# Altium PCB spd150.PcbDoc (part 4 of 15)
Units mil, origin at the board's own origin, x right, y up, seen from the top; angles counter-clockwise.
Board outline 8557 x 5807 mil, 10 copper layers (TOP, LYR2-PLN, LYR3-SIG, LYR4-SIG, LYR5-PLN, LYR6-PLN, LYR7-SIG, LYR8-SIG, LYR9-PLN, BOTTOM), stack 84 mil thick; 1065 components, 972 nets, 4226 pads, 2810 vias.
Unrouted connection lines stored in the file: 16.
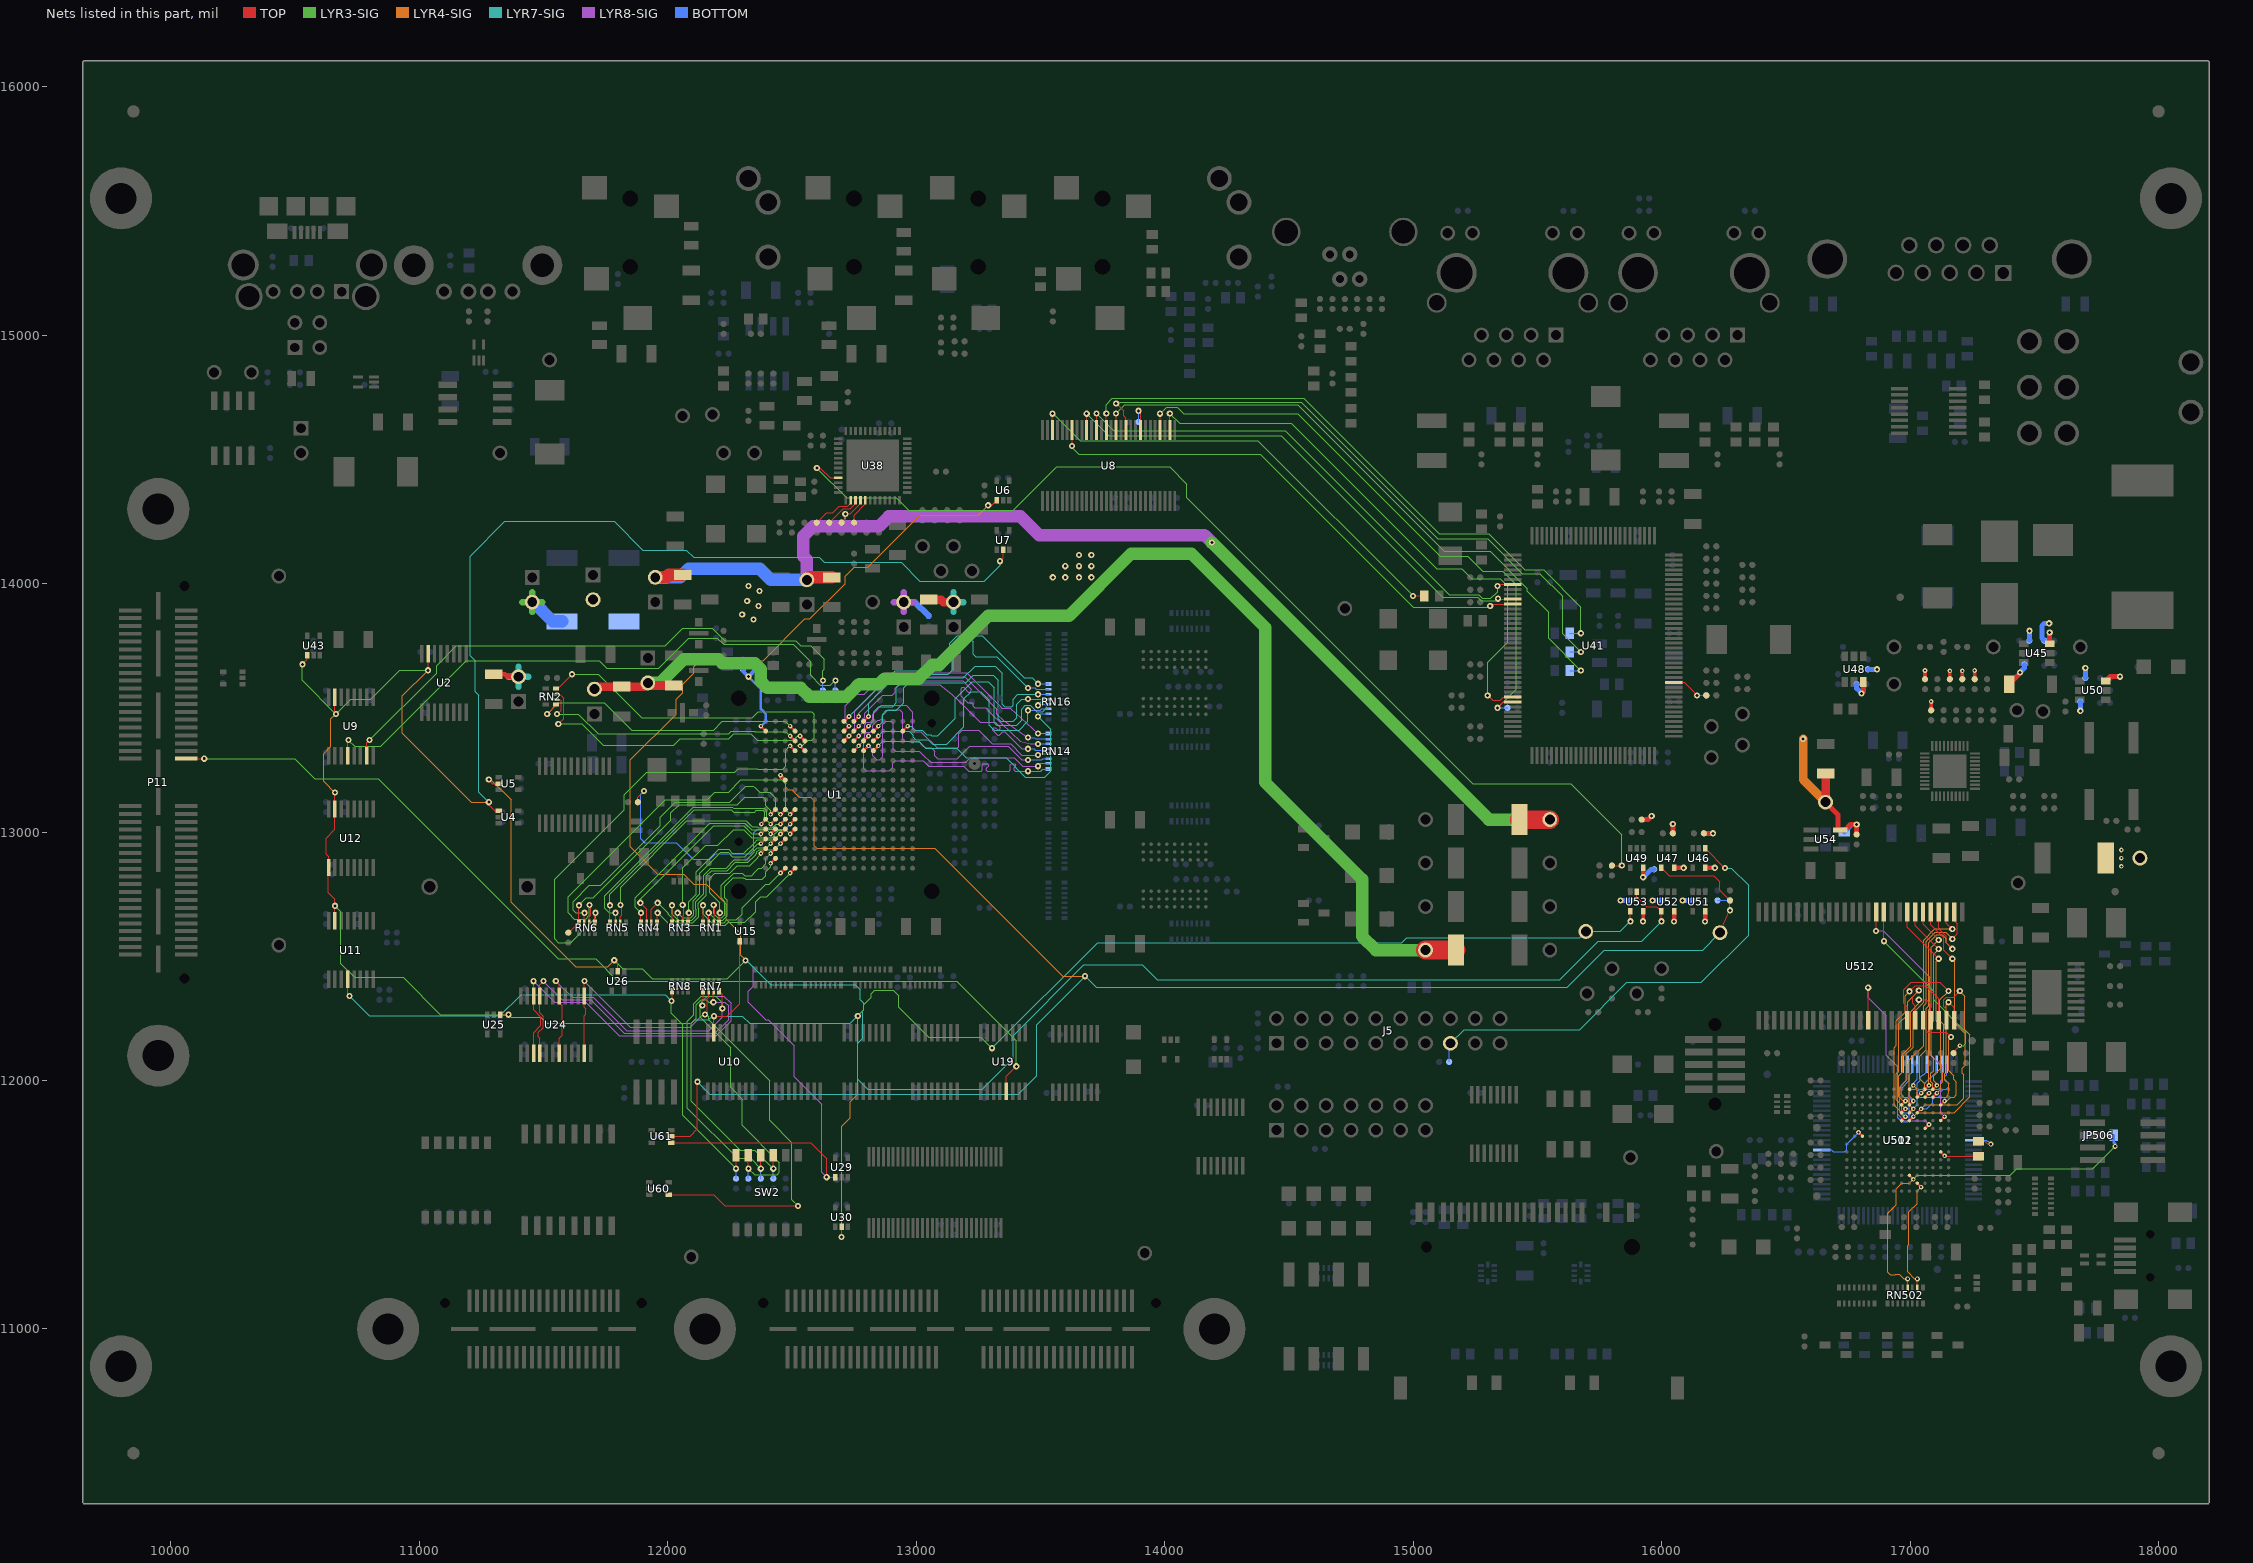
[diagram p12: the nets of this part, all layers, seen from the top]

## Footprints (in the part's own frame and the unit in brackets; to place one, negate y for a bottom-side part, rotate by r counter-clockwise, add the part's x,y. Pads: shape width x height; smd on the part's side, far side on the other; paste and mask are expansions set on the pad) (continued)
TSOP54-MICRON-18X75 [mil] "TSOP54-MICRON-18X75"
  rrect0% 18x75 smd: 1(-409.5,-218) 2(-378,-218) 3(-346.5,-218) 4(-315,-218) 5(-283.5,-218) 6(-252,-218) 7(-220.5,-218) 8(-189,-218) 9(-157.5,-218) 10(-126,-218) 11(-94.5,-218) 12(-63,-218) 13(-31.5,-218) 14(0,-218) 15(31.5,-218) 16(63,-218) 17(94.5,-218) 18(126,-218) 19(157.5,-218) 20(189,-218) 21(220.5,-218) 22(252,-218) 23(283.5,-218) 24(315,-218) 25(346.5,-218) 26(378,-218) 27(409.5,-218) 28(409.5,218) 29(378,218) 30(346.5,218) 31(315,218) 32(283.5,218) 33(252,218) 34(220.5,218) 35(189,218) 36(157.5,218) 37(126,218) 38(94.5,218) 39(63,218) 40(31.5,218) 41(0,218) 42(-31.5,218) 43(-63,218) 44(-94.5,218) 45(-126,218) 46(-157.5,218) 47(-189,218) 48(-220.5,218) 49(-252,218) 50(-283.5,218) 51(-315,218) 52(-346.5,218) 53(-378,218) 54(-409.5,218)
  silkscreen extent -438,-200 438,200
TSSOP16-14X70 [mil] "TSSOP16-14X70"
  rrect0% 14x70 smd: 1(-89.6,-117.6) 2(-64,-117.6) 3(-38.4,-117.6) 4(-12.8,-117.6) 5(12.8,-117.6) 6(38.4,-117.6) 7(64,-117.6) 8(89.6,-117.6) 9(89.6,117.6) 10(64,117.6) 11(38.4,117.6) 12(12.8,117.6) 13(-12.8,117.6) 14(-38.4,117.6) 15(-64,117.6) 16(-89.6,117.6)
  silkscreen extent -100,-90 100,90
USB_A_SH [mil] "USB_A_SH"
  round 65 hole 40: 1(-137.1,235.7) 2(-38.7,235.7) 3(40.1,235.7) 4(138.5,235.7)
  round 160 hole 95: 5(-258,129) 6(259.4,129)
  silkscreen extent -258,-276 258,276
USB_TRIPL-REV2 [mil] "USB_TRIPL-REV2"
  round 110 hole 86: 1(-235,160) 2(235,160)
  rect 60x60 hole 38: 1A(-138,140) 1B(50,365)
  rect 16x53 smd: 1AB(-51,-97.5) 2AB(-25.5,-97.5) 3AB(0,-97.5) 4AB(25.5,-97.5) 5AB(51,-97.5)
  round 60 hole 38: 2A(-40,140) 2B(-50,365) 3A(40,140) 3B(-50,265) 4A(138,140) 4B(50,265)
  round 125 hole 93: 3(-258,33) 4(258,33)
  rect 83x63 smd: 5(-121.9,-102.5) 6(121.9,-102.5)
  rect 75x75 smd: 7(-155.4,-202.9) 8(-47.3,-202.9) 9(47.3,-202.9) 10(155.4,-202.9)
  silkscreen extent -258,-372 258,375
XTAL2-75X94 [mil] "XTAL2-75X94"
  rect 75x95 smd: 1(-88,0) 2(88,0)
  silkscreen extent -120,-70 120,70
XTAL4-23X47-SSP-T7 [mil] "XTAL4-23X47-SSP-T7"
  rect 47x23 smd: 1(-124,-17.5) 2(124,-17.5) 3(124,17.5) 4(-124,17.5)
  silkscreen extent -132,-30 132,30
XTAL4-70X78-CTX [mil] "XTAL4-70X78-CTX"
  rect 70x78 smd: 1(-100,-82.5) 2(100,-82.5) 3(100,82.5) 4(-100,82.5)
  silkscreen extent -150,-100 150,100

## Free pads (board coordinates)
  round 50 all layers, no hole: 1(9850,10500) 1(9850,15900) 1(18000,10500) 1(18000,15900)

## Via types
v1: diameter 25, hole 12, TOP to BOTTOM, 2018 vias
v2: diameter 19, hole 8, TOP to BOTTOM, 651 vias
v3: diameter 20, hole 10, TOP to BOTTOM, 120 vias
v4: diameter 22, hole 10, TOP to BOTTOM, 21 vias

## Nets (pads, with @x,y where several pads share a name; then routed paths per layer and width w, separated by ;. In a path a pad name is that pad's centre, name@x,y a point inside that pad or via, vN(x,y) a via of type N, cw(c..) or ccw(c..) an arc to the next point about the centre after c; other vN are vias at no path point)
A1: U502.M7 U511.14 U512.23 | length 981.6
  TOP w5: v1(17035,12325) 17065,12325 17083.5,12306.5 U512.23@17083.5,12242
  TOP w10: U502.M7@16965.8,11901.8 v2(16981.5,11917.5)
  LYR4-SIG w4: 16970,12070 16970,12035 16954.5,12019.5 16954.5,11935.5 16972.5,11917.5 v2(16981.5,11917.5)
  LYR4-SIG w5: 16970,12070 16970,12106.1 17002.2,12138.3 17002.2,12277.2 17035,12310 v1(17035,12325)
  BOTTOM w4: U511.14@16969.7,12065 16969.7,12034.7 16949.9,12014.9 16949.9,11850.1 16965,11835 16990,11835 16997,11842 16997,11861 16988,11870 16975.5,11870 16966,11879.5 16966,11902 v2(16981.5,11917.5)
A2: U502.K7 U511.15 U512.24 | length 1044.2
  TOP w5: v1(16998,12359) 17021,12382 17063,12382 17115,12330 U512.24@17115,12242
  TOP w10: U502.K7@16965.8,11838.8 v2(16981.5,11854.5)
  LYR4-SIG w4: 16935.9,12070 16935.9,11900.1 v2(16981.5,11854.5)
  LYR4-SIG w5: 16935.9,12070 16935.9,12132.6 16945,12141.7 16945,12240 16980,12275 16980,12341 v1(16998,12359)
  BOTTOM w4: v2(16981.5,11854.5) 16975.5,11854.5 16957.9,11872.1 16957.9,11972.9 16989.4,12004.4 U511.15@16989.4,12065
A3: U502.K6 U511.16 U512.25 | length 1148.2
  TOP w5: U512.25@17146.5,12242 17146.5,12285 17135,12296.5 17135,12325 17145,12335 17175,12335 v1(17200,12360)
  TOP w10: U502.K6@16997.3,11838.8 v2(17013,11854.5)
  LYR4-SIG w4: v2(17013,11854.5) 17029,11870.5 17177,11870.5 17240.5,11934 17240.5,12069.5 17240,12070
  LYR4-SIG w5: v1(17200,12360) 17220,12340 17220,12205 17240,12185 17240,12070
  BOTTOM w4: U511.16@17009.1,12065 17009.1,12034.1 16997.4,12022.4 16997.4,12001 16965.9,11969.5 16965.9,11942.1 16975,11933 16988,11933 16997,11924 16997,11880 17013,11864 v2(17013,11854.5)
A4: U502.P6 U511.17 U512.26 | length 759.6
  TOP w5: v1(17155,12315) 17178,12292 U512.26@17178,12242
  TOP w10: U502.P6@16997.3,11964.8 v2(17013,11980.5)
  LYR4-SIG w4: v2(17013,11980.5) 17028.5,11965 17028.5,11942.5 17038,11933 17145,11933 17154.5,11942.5 17154.5,11949.5 17155,11950 17155,11988 17139.5,12003.5 17139.5,12028.1 17145,12033.6 17145,12070
  LYR4-SIG w5: 17145,12070 17145,12305 v1(17155,12315)
  BOTTOM w4: v2(17013,11980.5) 17013,11990 17028.5,12005.5 17028.5,12019.7 17028.8,12020 U511.17@17028.8,12065
A5: U502.M6 U511.19 U512.29 | length 1146.1
  TOP w5: v1(17170,12570) 17190,12590 17190,12630 17178,12642 U512.29@17178,12678
  TOP w10: U502.M6@16997.3,11901.8 v2(17013,11917.5)
  LYR4-SIG w4: 16997,12070 16997,11938 17013,11922 v2(17013,11917.5)
  LYR4-SIG w5: 16997,12070 16997,12082.7 17055,12140.7 17055,12300 17065,12310 17065,12560 17102,12597 17143,12597 v1(17170,12570)
  BOTTOM w4: v2(17013,11917.5) 17005,11925.5 17005,11927.4 16997,11935.4 16997,11955.5 17006.5,11965 17020,11965 17029,11974 17029,11990 17040,12001 17040,12014 17050,12024 17054,12024 17068.2,12038.2 U511.19@17068.2,12065
A6: U502.L6 U511.21 U512.30 | length 1203
  TOP w5: U512.30@17146.5,12678 17146.5,12633.5 v1(17170,12610)
  TOP w10: U502.L6@16997.3,11870.3 v2(17013,11886)
  LYR4-SIG w4: 16985,12070 16985.5,12069.5 16985.5,12000.5 16965,11980 16965,11943.4 16975.4,11933 16988,11933 16997,11924 16997,11902 v2(17013,11886)
  LYR4-SIG w5: 16985,12070 16985,12106.9 17012.2,12134.1 17012.2,12272.2 17055,12315 17055,12565 17100,12610 v1(17170,12610)
  BOTTOM w4: v2(17013,11886) 17029,11902 17029,11955.5 17038.5,11965 17051,11965 17060,11974 17060,11988 17107.6,12035.6 U511.21@17107.6,12065
A7: U502.N5 U511.22 U512.31 | length 1152.8
  TOP w5: U512.31@17115,12678 17115,12610 17145,12580 17145,12555 v1(17170,12530)
  TOP w10: U502.N5@17028.8,11933.3 v2(17044.5,11949)
  LYR4-SIG w4: 17039,12070 17039,12008 17060,11987 17060,11964.5 v2(17044.5,11949)
  LYR4-SIG w5: 17039,12070 17039,12097.3 17065.3,12123.6 17065.3,12290.3 17075,12300 17075,12554.3 17106.7,12586 17129,12586 17145,12570 17145,12555 v1(17170,12530)
  BOTTOM w4: v2(17044.5,11949) 17049,11949 17065,11965 17114.5,11965 17123.2,11973.7 17123.2,11995 17130.2,12002 17130.2,12024.8 17127.3,12027.7 U511.22@17127.3,12065
A8: U502.L5 U511.23 U512.32 | length 1287.5
  TOP w5: U512.32@17083.5,12678 17083.5,12626.5 17135,12575 17135,12525 v1(17170,12490)
  TOP w10: U502.L5@17028.8,11870.3 v2(17044.5,11886)
  LYR4-SIG w4: v2(17044.5,11886) 17060.5,11902 17189,11902 17215.5,11928.5 17215.5,12022.5 17209.5,12028.5 17209.5,12049.5 17222,12062 17222,12070
  LYR4-SIG w5: v1(17170,12490) 17180,12480 17180,12230.8 17222,12188.8 17222,12070
  BOTTOM w4: v2(17044.5,11886) 17066.5,11886 17092,11911.5 17092,11924 17101,11933 17113.5,11933 17123.5,11943 17123.5,11955.5 17132.5,11964.5 17145.5,11964.5 17155,11974 17155,11987 17139.5,12002.5 17139.5,12016.5 17147,12024 U511.23@17147,12065
A9: U502.P4 U512.33 | length 762
  TOP w5: U512.33@17052,12678 17052,12629 v1(17115,12566)
  TOP w10: U502.P4@17060.3,11964.8 v2(17076,11980.5)
  LYR4-SIG w4: v2(17076,11980.5) 17076,12070
  LYR4-SIG w5: 17076,12070 17076,12285 17085,12294 17085,12536 v1(17115,12566)
A10: U502.N4 U512.34 | length 820.6
  TOP w5: U512.34@17020.5,12678 17020.5,12623.5 v1(17115,12529)
  TOP w10: U502.N4@17060.3,11933.3 v2(17076,11949)
  LYR4-SIG w4: v2(17076,11949) 17092,11965 17092,11988 17084,11996 17084,12029 17095,12040 17095,12070
  LYR4-SIG w5: 17095,12070 17095,12090 17086,12099 17086,12231.6 17095,12240.6 17095,12509 v1(17115,12529)
A11: U502.M2 U512.22 | length 485.6
  TOP w5: U512.22@17052,12242 17052,12215 17072,12195 17145,12195 v1(17165,12175)
  TOP w10: U502.M2@17123.3,11901.8 v2(17139,11917.5)
  LYR4-SIG w4: v2(17139,11917.5) 17148.5,11917.5 17164.5,11933.5 17177,11933.5 17186,11942.5 17186,11994 17175,12005 17175,12020 17155,12040 17155,12070
  LYR4-SIG w5: 17155,12070 17155,12165 v1(17165,12175)
A12: U502.P3 U512.35 | length 801.1
  TOP w5: U512.35@16989,12678 16989,12616 v1(17115,12490)
  TOP w10: U502.P3@17091.8,11964.8 v2(17107.5,11980.5)
  LYR4-SIG w4: v2(17107.5,11980.5) 17107.5,11987.5 17095,12000 17095,12020 17124,12049
  LYR4-SIG w5: v1(17115,12490) 17105,12480 17105,12240 17124,12221 17124,12049
A13: U502.N3 U512.20 | length 801
  TOP w5: U512.20@16989,12242 16989,12297 16975,12311 16975,12365 17005,12395 17120,12395 v1(17155,12360)
  TOP w10: U502.N3@17091.8,11933.3 v2(17107.5,11949)
  LYR4-SIG w4: v2(17107.5,11949) 17123.5,11965 17123.5,11987 17130.7,11994.2 17130.7,12030.7 17135,12035 17135,12070
  LYR4-SIG w5: 17135,12070 17135,12225 17120,12240 17120,12325 v1(17155,12360)
A14: U502.L7 U512.21 | length 685.3
  TOP w5: U512.21@17020.5,12242 17020.5,12299.5 17010,12310 17010,12337 v1(17035,12362)
  TOP w10: U502.L7@16965.8,11870.3 v2(16981.5,11886)
  LYR4-SIG w4: 16955,12070 16955,12037.7 16945,12027.7 16945,11922.5 v2(16981.5,11886)
  LYR4-SIG w5: 16955,12070 16955,12230 16990,12265 16990,12317 v1(17035,12362)
ACLKR0: RN2.1 U1.B4 | length 1144.9
  TOP w5: v1(11515,13475) 11550.5,13510.5 RN2.1@11550.5,13512.6
  TOP w10: v2(12493.1,13425.8) U1.B4@12512.8,13406.1
  LYR3-SIG w4: 12350,13445 12473.9,13445 v2(12493.1,13425.8)
  LYR3-SIG w5: v1(11515,13475) 11560,13520 11745,13520 11855,13410 12185,13410 12220,13445 12350,13445
ACLKR1: RN5.3 U1.L2 | length 1032.9
  TOP w5: RN5.3@11790.2,12635.5 v1(11790.2,12674.8)
  TOP w10: v2(12414.3,13031.8) U1.L2@12434,13051.5
  LYR3-SIG w4: 12350,13095 12379.6,13095 12379.7,13095.1 12386.3,13095.1 12386.4,13095 12388,13095 12398.8,13084.2 12398.8,13047.3 v2(12414.3,13031.8)
  LYR3-SIG w5: v1(11790.2,12674.8) 11765.2,12674.8 11747.6,12692.4 11747.6,12744.3 12103.3,13100 12260,13100 12265,13095 12350,13095
ACLKX0: RN2.3 U1.C5 | length 1221.1
  TOP w5: RN2.3@11550.5,13554.8 11565.2,13554.8 11581,13539 11581,13456 v1(11560,13435)
  TOP w10: v2(12532.5,13386.4) U1.C5@12552.2,13366.7
  LYR3-SIG w4: 12350,13380 12360,13370 12505,13370 12521.4,13386.4 v2(12532.5,13386.4)
  LYR3-SIG w5: v1(11560,13435) 11655,13435 11740,13350 12025,13350 12050,13375 12245,13375 12265,13395 12335,13395 12350,13380
ACLKX1: RN6.3 U1.K3 | length 1272
  TOP w5: RN6.3@11665.2,12635.5 v1(11665.2,12674.8)
  TOP w10: v2(12453.7,13071.2) U1.K3@12473.4,13090.9
  LYR3-SIG w4: 12350,13180 12370,13160 12410,13160 12435,13135 12435,13089.9 v2(12453.7,13071.2)
  LYR3-SIG w5: v1(11665.2,12674.8) 11630.2,12674.8 11620,12685 11620,12720 11685,12785 11730,12785 11970,13025 11970,13060 12030,13120 12250,13120 12315,13185 12345,13185 12350,13180
ADVFC: R247.2 R254.1 U41.12 | length 189.6
  TOP w5: U41.12@16049,13602.2 16090.8,13602.2 v1(16143,13550) R254.1@16180,13550
  BOTTOM w5: v1(16143,13550) R247.2@16180,13550
AFSR0: RN2.2 U1.C4 | length 1094.6
  TOP w5: RN2.2@11550.5,13535.2 11564.8,13535.2 11571,13529 11571,13491 v1(11555,13475)
  TOP w10: v2(12493.1,13386.4) U1.C4@12512.8,13366.7
  LYR3-SIG w4: 12350,13404.5 12475,13404.5 v2(12493.1,13386.4)
  LYR3-SIG w5: v1(11555,13475) 11640,13475 11720,13395 12245,13395 12255,13405 12349.5,13405 12350,13404.5
AFSR1: RN5.2 U1.L3 | length 947
  TOP w5: RN5.2@11809.8,12635.5 11809.8,12659.8 11815,12665 11815,12701.3 v1(11810.4,12705.9)
  TOP w10: v2(12453.7,13031.8) U1.L3@12473.4,13051.5
  LYR3-SIG w4: 12350,13021 12360,13021 12364.7,13016.3 12420.8,13016.3 12436.3,13031.8 v2(12453.7,13031.8)
  LYR3-SIG w5: v1(11810.4,12705.9) 11810.4,12778.7 12076.7,13045 12316,13045 12340,13021 12350,13021
AFSX0: RN2.4 U1.D5 | length 1344.4
  TOP w5: RN2.4@11550.5,13577.4 11557.4,13577.4 v1(11615,13635)
  TOP w10: v2(12532.5,13347) U1.D5@12552.2,13327.3
  LYR3-SIG w4: 12350,13470 12365,13485 12580,13485 12590,13475 12590,13380 12580,13370 12565,13370 12542,13347 v2(12532.5,13347)
  LYR3-SIG w5: v1(11615,13635) 11720,13635 11895,13460 12340,13460 12350,13470
AFSX1: RN6.2 U1.K4 | length 1517.1
  TOP w5: RN6.2@11684.8,12635.5 11684.8,12659.8 11690,12665 11690,12701.3 v1(11685.4,12705.9)
  TOP w10: v2(12493.1,13071.2) U1.K4@12512.8,13090.9
  LYR3-SIG w4: 12350,13210 12460,13210 12475,13195 12475,13089.3 v2(12493.1,13071.2)
  LYR3-SIG w5: v1(11685.4,12705.9) 11685.4,12665.4 11670,12650 11625,12650 11600,12675 11600,12740 11990,13130 12160,13130 12190,13160 12245,13160 12295,13210 12350,13210
AHCLKR1: RN5.4 U1.L1 | length 969.1
  TOP w5: RN5.4@11767.6,12635.5 v1(11767.6,12705)
  TOP w10: v2(12376.9,13031.8) 12376.9,13033.8 U1.L1@12394.6,13051.5
  LYR3-SIG w4: 12350,13080 12357,13087 12383,13087 12390.8,13079.2 12390.8,13045.8 12376.9,13031.9 v2(12376.9,13031.8)
  LYR3-SIG w5: v1(11767.6,12705) 11767.6,12750.1 12107.5,13090 12255,13090 12265,13080 12350,13080
AHCLKR2: P11.40 U19.5 | length 4029.7
  TOP w5: P11.40@10063,13295 v1(10135,13295) ; U19.5@13362.8,11957.4 13362.8,12016.8 v1(13403,12057)
  LYR3-SIG w5: v1(10135,13295) 10500,13295 10580,13215 10835,13215 11560,12490 11710,12490 11799.8,12400.2 11933.9,12400.2 11934.1,12400 12244.3,12400 12244.5,12400.2 13163.1,12400.2 13403,12160.3 v1(13403,12057)
AHCLKX1: R15.2 RN6.4 U1.K2 | length 1176.8
  TOP w5: R15.2@11600,12595 11602.1,12595 RN6.4@11642.6,12635.5 v1(11642.6,12705)
  TOP w10: v2(12414.3,13071.2) U1.K2@12434,13090.9
  LYR3-SIG w4: 12350,13140 12385,13140 12395,13130 12395,13105 12414.3,13085.7 v2(12414.3,13071.2)
  LYR3-SIG w5: v1(11642.6,12705) 11672.6,12735 11700,12735 12013.3,13048.3 12013.3,13076.6 12046.7,13110 12280,13110 12310,13140 12350,13140
AIC3106_RESETN: R352.1 U38.33 | length 4295.3
  TOP w5: v1(12600,14465) 12615,14465 12654.2,14425.8 U38.33@12686,14425.8 ; R352.1@15800,12865 v1(15840,12865)
  LYR3-SIG w5: v1(12600,14465) 12720,14345 12920,14345 12970,14295 13390,14295 13565,14470 14020,14470 14090,14400 14090,14345.2 15240.2,13195 15635,13195 15840,12990 v1(15840,12865)
AIC_BCLK: R194.2 U38.38 | length 182.1
  TOP w5: R194.2@12600,14245 12640,14285 12665,14285 12691.5,14311.5 12725.5,14311.5 12736.4,14322.4 U38.38@12736.4,14336
AIC_DIN: R196.2 R202.1 U38.40 | length 175.3
  TOP w5: R196.2@12700,14245 12715,14260 v1(12715,14280) 12735,14280 12775.8,14320.8 U38.40@12775.8,14336
  BOTTOM w5: R202.1@12700,14245 12715,14260 v1(12715,14280)
AIC_DOUT: R197.2 U38.41 | length 109.8
  TOP w5: R197.2@12750,14245 12750,14275 12795.5,14320.5 U38.41@12795.5,14336
AIC_WCLK: R195.2 U38.39 | length 151.7
  TOP w5: R195.2@12650,14245 12706.5,14301.5 12735.1,14301.5 12756.1,14322.5 U38.39@12756.1,14336
ALT_3V3: C246.1 C247.1 C249.1 C250.1 C251.1 C253.1 C255.1 C256.1 C257.1 L15.1 R325.1 R326.1 R327.1 R328.1 R329.1 R335.1 R346.2 R349.2 R353.2 U45.6 U46.5 U47.5 U48.6 U49.5 U50.6 U51.5 U52.5 U53.5 | length 1169.3
  TOP w15: v1(15925.6,12640.6) U53.5@15925.6,12681 ; R326.1@17060,13615 v2(17060,13650) ; R325.1@17085,13490 v2(17085,13525) ; R329.1@17160,13615 v2(17160,13649) ; R328.1@17210,13615 v2(17210,13649) ; R327.1@17260,13615 v2(17260,13650)
  TOP w18: U49.5@15925.6,12856 15925.6,12818.4 v1(15926,12818) ; v1(16050,12640) 16050.6,12640.6 U52.5@16050.6,12681 ; U47.5@16050.6,12856 v1(16089,12856) ; v1(16175,12640) 16175.6,12640.6 U51.5@16175.6,12681 ; U46.5@16175.6,12856 v1(16214,12856)
  TOP w20: R335.1@15920,13050 15945,13050 v1(15960,13065) ; C249.1@16045,12995 v1(16045,13032) ; C247.1@16170,12995 v1(16207,12995) ; v1(16805,13558) 16812,13565 U48.6@16812,13603.6 ; L15.1@17399,13595 17442,13638 v1(17442,13642) ; U45.6@17562,13757.4 v1(17562,13803) ; U50.6@17787,13607.4 17804.6,13625 v1(17845,13625)
  BOTTOM w20: v1(15835,12725) C255.1@15875,12725 ; v1(15926,12818) 15958,12850 C251.1@15970,12850 ; v1(15963,12725) C257.1@16000,12725 ; v1(16085,12725) C256.1@16125,12725 ; C250.1@16785,13595 16785,13578 v1(16805,13558) ; R349.2@16830,13655 v1(16867,13655) ; v1(17442,13642) 17460,13660 C246.1@17460,13675 ; R346.2@17480,13770 v1(17480,13810) ; v1(17685,13488) C253.1@17685,13525 ; R353.2@17705,13620 v1(17705,13660)
ALT_CPU_1V2: C261.1 C262.1 PTP3.2 PTP4.2 R118.2 R119.1 R372.1 TP34.1 U54.5 | length 1250.4
  TOP w20: R119.1@11300,13635 11345,13635 11355,13625 PTP3.2@11400,13625 ; TP34.1@16660,13120 16710,13070 16710,13016.4 U54.5@16719,13007.4 16737.4,13007.4 16760,13030 v1(16785,13030) C261.1@16785,12990
  TOP w35: R118.2@13050,13935 13100,13935 13110,13925 PTP4.2@13150,13925 ; TP34.1@16660,13120 C262.1@16660,13235
  LYR4-SIG w35: v1(16570,13375) 16570,13210 TP34.1@16660,13120
  LYR7-SIG w25: 11360,13625 PTP3.2@11400,13625 ; 11400,13585 PTP3.2@11400,13625 ; 11400,13665 PTP3.2@11400,13625 ; 11440,13625 PTP3.2@11400,13625 ; 13110,13925 PTP4.2@13150,13925 ; 13150,13885 PTP4.2@13150,13925 ; 13150,13965 PTP4.2@13150,13925 ; 13190,13925 PTP4.2@13150,13925
  BOTTOM w20: R372.1@16735,13000 16765,13030 v1(16785,13030)
AMUTE0: R1.2 U1.L4 | length 1016.2
  TOP w5: R1.2@11880,13120 11880,13140 v1(11905,13165)
  TOP w10: v2(12493.1,13031.8) U1.L4@12512.8,13051.5
  BOTTOM w4: 12350,13001 12360.8,13011.8 12473.1,13011.8 v2(12493.1,13031.8)
  BOTTOM w5: v1(11905,13165) 11891.8,13151.8 11891.8,12973.5 11908.2,12957.1 12034.9,12957.1 12102.2,12889.8 12169.3,12889.8 12192,12912.5 12331.9,12912.5 12345.9,12926.5 12345.9,12996.9 12350,13001
AMUTE1: RN6.1 U1.D4 | length 1786.7
  TOP w5: RN6.1@11707.4,12635.5 11707.4,12672.4 v1(11710,12675)
  TOP w10: v2(12493.1,13347) U1.D4@12512.8,13327.3
  LYR3-SIG w4: 12350,13255 12360,13255 12362.3,13252.7 12462.7,13252.7 12475,13265 12475,13330 12492,13347 v2(12493.1,13347)
  LYR3-SIG w5: v1(11710,12675) 11710,12655 11610,12555 11560,12555 11545,12570 11545,12810 11825,13090 11825,13150 11915,13240 12270,13240 12285,13255 12350,13255
ARM_RSTN: J5.15 R179.1 U46.1 | length 1893.4
  TOP w5: U46.1@16175.6,12934 16176,12934 v1(16255,12855)
  LYR7-SIG w5: J5.15@15150,12150 15205,12205 15670,12205 15860,12395 16160,12395 16350,12585 16350,12785 16280,12855 v1(16255,12855)
  BOTTOM w5: R179.1@15145,12075 15145,12145 J5.15@15150,12150
AXR0_9: R30.2 U9.4 | length 2398.4
  TOP w5: U9.4@10712.2,13307.4 10712.2,13367.2 v1(10715,13370)
  LYR3-SIG w5: v1(10715,13370) 10740,13345 10845,13345 11190,13690 11725,13690 11755,13660 11965,13660 12085,13780 12200,13780 12225,13755 12505,13755 12575,13685 12575,13630 12615,13590 12655,13590 v1(12675,13610)
  BOTTOM w5: R30.2@12675,13570 v1(12675,13610)
AXR0_10: R29.2 U9.7 | length 2280
  TOP w5: U9.7@10789,13307.4 10789,13359 v1(10800,13370)
  LYR3-SIG w5: v1(10800,13370) 11070,13640 11070,13670 11150,13750 11990,13750 12060,13820 12180,13820 12230,13770 12515,13770 12535,13750 12575,13750 12630,13695 12630,13655 12625,13650 v1(12625,13610)
  BOTTOM w5: R29.2@12625,13570 v1(12625,13610)
AXR1[0]: RN1.4 U1.T3 | length 555.9
  TOP w5: RN1.4@12142.6,12635.5 v1(12142.6,12705)
  TOP w10: v2(12453.7,12834.8) U1.T3@12473.4,12854.5
  LYR3-SIG w4: 12433.9,12815 v2(12453.7,12834.8)
  LYR3-SIG w5: v1(12142.6,12705) 12142.6,12669.1 12176.7,12635 12227,12635 12238,12646 12276,12646 12300,12670 12300,12695 12395,12790 12408.9,12790 12433.9,12815
AXR1[1]: RN1.3 U1.R2 | length 529.6
  TOP w5: RN1.3@12165.2,12635.5 v1(12165.2,12674.8)
  TOP w10: v2(12414.3,12874.2) U1.R2@12434,12893.9

## Text inside footprints (layer, text, board x,y; h text height)
R611: PIN_NUMBER "1" at 16489,11460 h40; PIN_NUMBER "2" at 16429,11460 h40; SYMB_DIM "PAD 35X45OV" at 16290,11535 h40; SYMB_DIM "SM  43X53OV" at 16290,11475 h40; SYMB_DIM "SP  35X45OV" at 16290,11405 h40; SYMB_DIM "R603-35X45" at 16685,11650 h40; SYMB_DIM "0" at 16495,11320 h40; SYMB_DIM "0" at 16620,11440 h40; ASSEMBLY_BOTTOM "100" at 16500,11445 h40; ASSEMBLY_BOTTOM "X" at 16470,11445 h40; ASSEMBLY_BOTTOM "X" at 16435,11445 h40
R612: PIN_NUMBER "2" at 17347,11470 h20 r90; PIN_NUMBER "1" at 17347,11510 h20 r90; ASSEMBLY_BOTTOM "USERPART#" at 17505,11490 h25 r90; ASSEMBLY_BOTTOM "TOLERANCE" at 17455,11490 h25 r90; ASSEMBLY_BOTTOM "10K" at 17355,11490 h25 r90; SYMBOL_PART_DIM "0" at 17368,11582 h25 r90; SYMBOL_PART_DIM "0" at 17439,11498 h25 r90; SYMBOL_PART_DIM "C402-35X32" at 17493,11613 h25 r90; SYMBOL_PART_DIM "PAD 35X32 OV" at 17543,11613 h25 r90
R613: PIN_NUMBER "1" at 16942,12215 h20 r270; PIN_NUMBER "2" at 16942,12255 h20 r270; ASSEMBLY_BOTTOM "USERPART#" at 16800,12235 h25 r270; ASSEMBLY_BOTTOM "TOLERANCE" at 16850,12235 h25 r270; ASSEMBLY_BOTTOM "10K" at 16950,12235 h25 r270; SYMBOL_PART_DIM "0" at 16937,12143 h25 r270; SYMBOL_PART_DIM "0" at 16866,12227 h25 r270; SYMBOL_PART_DIM "C402-35X32" at 16812,12112 h25 r270; SYMBOL_PART_DIM "PAD 35X32 OV" at 16762,12112 h25 r270
R614: PIN_NUMBER "2" at 16797,12160 h20 r180; PIN_NUMBER "1" at 16757,12160 h20 r180; ASSEMBLY_BOTTOM "USERPART#" at 16785,12310 h25 r180; ASSEMBLY_BOTTOM "TOLERANCE" at 16785,12260 h25 r180; ASSEMBLY_BOTTOM "10K" at 16785,12160 h25 r180; SYMBOL_PART_DIM "0" at 16693,12173 h25 r180; SYMBOL_PART_DIM "0" at 16777,12244 h25 r180; SYMBOL_PART_DIM "C402-35X32" at 16662,12298 h25 r180; SYMBOL_PART_DIM "PAD 35X32 OV" at 16662,12348 h25 r180
R615: PIN_NUMBER "2" at 17347,11915 h20; PIN_NUMBER "1" at 17387,11915 h20; ASSEMBLY_BOTTOM "USERPART#" at 17375,11765 h25; ASSEMBLY_BOTTOM "TOLERANCE" at 17375,11815 h25; ASSEMBLY_BOTTOM "10K" at 17375,11915 h25; SYMBOL_PART_DIM "0" at 17467,11902 h25; SYMBOL_PART_DIM "0" at 17383,11831 h25; SYMBOL_PART_DIM "C402-35X32" at 17498,11777 h25; SYMBOL_PART_DIM "PAD 35X32 OV" at 17498,11727 h25
R616: PIN_NUMBER "2" at 17347,11855 h20; PIN_NUMBER "1" at 17387,11855 h20; ASSEMBLY_BOTTOM "USERPART#" at 17375,11705 h25; ASSEMBLY_BOTTOM "TOLERANCE" at 17375,11755 h25; ASSEMBLY_BOTTOM "10K" at 17375,11855 h25; SYMBOL_PART_DIM "0" at 17467,11842 h25; SYMBOL_PART_DIM "0" at 17383,11771 h25; SYMBOL_PART_DIM "C402-35X32" at 17498,11717 h25; SYMBOL_PART_DIM "PAD 35X32 OV" at 17498,11667 h25
R617: PIN_NUMBER "1" at 15897,12065 h20; PIN_NUMBER "2" at 15857,12065 h20; ASSEMBLY_BOTTOM "USERPART#" at 15885,11915 h25; ASSEMBLY_BOTTOM "TOLERANCE" at 15885,11965 h25; ASSEMBLY_BOTTOM "33" at 15885,12065 h25; SYMBOL_PART_DIM "0" at 15977,12052 h25; SYMBOL_PART_DIM "0" at 15893,11981 h25; SYMBOL_PART_DIM "C402-35X32" at 16008,11927 h25; SYMBOL_PART_DIM "PAD 35X32 OV" at 16008,11877 h25
R618: PIN_NUMBER "1" at 17259,11755 h40 r270; PIN_NUMBER "2" at 17259,11695 h40 r270; ASSEMBLY_TOP "100" at 17260,11750 h40 r270; ASSEMBLY_TOP "X" at 17260,11720 h40 r270; ASSEMBLY_TOP "X" at 17260,11685 h40 r270; SYMB_DIM "PAD 35X45OV" at 17350,11540 h40 r270; SYMB_DIM "SM  43X53OV" at 17290,11540 h40 r270; SYMB_DIM "SP  35X45OV" at 17220,11540 h40 r270; SYMB_DIM "R603-35X45" at 17465,11935 h40 r270; SYMB_DIM "0" at 17135,11745 h40 r270; SYMB_DIM "0" at 17255,11870 h40 r270
R619: PIN_NUMBER "1" at 16512,11610 h20 r180; PIN_NUMBER "2" at 16472,11610 h20 r180; ASSEMBLY_TOP "USERPART#" at 16500,11760 h25 r180; ASSEMBLY_TOP "TOLERANCE" at 16500,11710 h25 r180; ASSEMBLY_TOP "33" at 16500,11610 h25 r180; SYMBOL_PART_DIM "0" at 16592,11623 h25 r180; SYMBOL_PART_DIM "0" at 16508,11694 h25 r180; SYMBOL_PART_DIM "C402-35X32" at 16623,11748 h25 r180; SYMBOL_PART_DIM "PAD 35X32 OV" at 16623,11798 h25 r180
R620: PIN_NUMBER "2" at 16472,11610 h20; PIN_NUMBER "1" at 16512,11610 h20; ASSEMBLY_BOTTOM "USERPART#" at 16500,11460 h25; ASSEMBLY_BOTTOM "TOLERANCE" at 16500,11510 h25; ASSEMBLY_BOTTOM "33" at 16500,11610 h25; SYMBOL_PART_DIM "0" at 16592,11597 h25; SYMBOL_PART_DIM "0" at 16508,11526 h25; SYMBOL_PART_DIM "C402-35X32" at 16623,11472 h25; SYMBOL_PART_DIM "PAD 35X32 OV" at 16623,11422 h25
R621: PIN_NUMBER "2" at 13267,13225 h20; PIN_NUMBER "1" at 13307,13225 h20; ASSEMBLY_BOTTOM "USERPART#" at 13295,13075 h25; ASSEMBLY_BOTTOM "TOLERANCE" at 13295,13125 h25; ASSEMBLY_BOTTOM "10K" at 13295,13225 h25; SYMBOL_PART_DIM "0" at 13387,13212 h25; SYMBOL_PART_DIM "0" at 13303,13141 h25; SYMBOL_PART_DIM "C402-35X32" at 13418,13087 h25; SYMBOL_PART_DIM "PAD 35X32 OV" at 13418,13037 h25
R622: PIN_NUMBER "2" at 13267,13275 h20; PIN_NUMBER "1" at 13307,13275 h20; ASSEMBLY_BOTTOM "USERPART#" at 13295,13125 h25; ASSEMBLY_BOTTOM "TOLERANCE" at 13295,13175 h25; ASSEMBLY_BOTTOM "10K" at 13295,13275 h25; SYMBOL_PART_DIM "0" at 13387,13262 h25; SYMBOL_PART_DIM "0" at 13303,13191 h25; SYMBOL_PART_DIM "C402-35X32" at 13418,13137 h25; SYMBOL_PART_DIM "PAD 35X32 OV" at 13418,13087 h25
R623: PIN_NUMBER "2" at 13267,13175 h20; PIN_NUMBER "1" at 13307,13175 h20; ASSEMBLY_BOTTOM "USERPART#" at 13295,13025 h25; ASSEMBLY_BOTTOM "TOLERANCE" at 13295,13075 h25; ASSEMBLY_BOTTOM "10K" at 13295,13175 h25; SYMBOL_PART_DIM "0" at 13387,13162 h25; SYMBOL_PART_DIM "0" at 13303,13091 h25; SYMBOL_PART_DIM "C402-35X32" at 13418,13037 h25; SYMBOL_PART_DIM "PAD 35X32 OV" at 13418,12987 h25
R624: PIN_NUMBER "2" at 13267,13025 h20; PIN_NUMBER "1" at 13307,13025 h20; ASSEMBLY_BOTTOM "USERPART#" at 13295,12875 h25; ASSEMBLY_BOTTOM "TOLERANCE" at 13295,12925 h25; ASSEMBLY_BOTTOM "10K" at 13295,13025 h25; SYMBOL_PART_DIM "0" at 13387,13012 h25; SYMBOL_PART_DIM "0" at 13303,12941 h25; SYMBOL_PART_DIM "C402-35X32" at 13418,12887 h25; SYMBOL_PART_DIM "PAD 35X32 OV" at 13418,12837 h25
R625: PIN_NUMBER "2" at 13287,13540 h20; PIN_NUMBER "1" at 13327,13540 h20; ASSEMBLY_BOTTOM "USERPART#" at 13315,13390 h25; ASSEMBLY_BOTTOM "TOLERANCE" at 13315,13440 h25; ASSEMBLY_BOTTOM "10K" at 13315,13540 h25; SYMBOL_PART_DIM "0" at 13407,13527 h25; SYMBOL_PART_DIM "0" at 13323,13456 h25; SYMBOL_PART_DIM "C402-35X32" at 13438,13402 h25; SYMBOL_PART_DIM "PAD 35X32 OV" at 13438,13352 h25
R626: PIN_NUMBER "2" at 13267,13125 h20; PIN_NUMBER "1" at 13307,13125 h20; ASSEMBLY_BOTTOM "USERPART#" at 13295,12975 h25; ASSEMBLY_BOTTOM "TOLERANCE" at 13295,13025 h25; ASSEMBLY_BOTTOM "10K" at 13295,13125 h25; SYMBOL_PART_DIM "0" at 13387,13112 h25; SYMBOL_PART_DIM "0" at 13303,13041 h25; SYMBOL_PART_DIM "C402-35X32" at 13418,12987 h25; SYMBOL_PART_DIM "PAD 35X32 OV" at 13418,12937 h25
R627: PIN_NUMBER "2" at 13267,13325 h20; PIN_NUMBER "1" at 13307,13325 h20; ASSEMBLY_BOTTOM "USERPART#" at 13295,13175 h25; ASSEMBLY_BOTTOM "TOLERANCE" at 13295,13225 h25; ASSEMBLY_BOTTOM "10K" at 13295,13325 h25; SYMBOL_PART_DIM "0" at 13387,13312 h25; SYMBOL_PART_DIM "0" at 13303,13241 h25; SYMBOL_PART_DIM "C402-35X32" at 13418,13187 h25; SYMBOL_PART_DIM "PAD 35X32 OV" at 13418,13137 h25
R628: PIN_NUMBER "2" at 13267,13375 h20; PIN_NUMBER "1" at 13307,13375 h20; ASSEMBLY_BOTTOM "USERPART#" at 13295,13225 h25; ASSEMBLY_BOTTOM "TOLERANCE" at 13295,13275 h25; ASSEMBLY_BOTTOM "10K" at 13295,13375 h25; SYMBOL_PART_DIM "0" at 13387,13362 h25; SYMBOL_PART_DIM "0" at 13303,13291 h25; SYMBOL_PART_DIM "C402-35X32" at 13418,13237 h25; SYMBOL_PART_DIM "PAD 35X32 OV" at 13418,13187 h25
R629: PIN_NUMBER "2" at 13287,13490 h20; PIN_NUMBER "1" at 13327,13490 h20; ASSEMBLY_BOTTOM "USERPART#" at 13315,13340 h25; ASSEMBLY_BOTTOM "TOLERANCE" at 13315,13390 h25; ASSEMBLY_BOTTOM "10K" at 13315,13490 h25; SYMBOL_PART_DIM "0" at 13407,13477 h25; SYMBOL_PART_DIM "0" at 13323,13406 h25; SYMBOL_PART_DIM "C402-35X32" at 13438,13352 h25; SYMBOL_PART_DIM "PAD 35X32 OV" at 13438,13302 h25
R630: PIN_NUMBER "2" at 13267,13075 h20; PIN_NUMBER "1" at 13307,13075 h20; ASSEMBLY_BOTTOM "USERPART#" at 13295,12925 h25; ASSEMBLY_BOTTOM "TOLERANCE" at 13295,12975 h25; ASSEMBLY_BOTTOM "10K" at 13295,13075 h25; SYMBOL_PART_DIM "0" at 13387,13062 h25; SYMBOL_PART_DIM "0" at 13303,12991 h25; SYMBOL_PART_DIM "C402-35X32" at 13418,12937 h25; SYMBOL_PART_DIM "PAD 35X32 OV" at 13418,12887 h25
RN1: PIN_NUMBER "2" at 12176.8,12635.5 h10 r270; PIN_NUMBER "7" at 12176.8,12589.5 h10 r270; PIN_NUMBER "4" at 12134.6,12635.5 h10 r270; PIN_NUMBER "1" at 12199.4,12635.5 h10 r270; PIN_NUMBER "8" at 12199.4,12589.5 h10 r270; PIN_NUMBER "6" at 12157.2,12589.5 h10 r270; PIN_NUMBER "3" at 12157.2,12635.5 h10 r270; PIN_NUMBER "5" at 12134.6,12589.5 h10 r270; ASSEMBLY_TOP "PART#" at 12219.4,12730 h40 r180; ASSEMBLY_TOP "TOL" at 12219.4,12730 h40 r180; ASSEMBLY_TOP "RPACK4-22" at 12214.4,12730 h40 r180
RN2: PIN_NUMBER "3" at 11542.5,13554.8 h10 r180; PIN_NUMBER "8" at 11496.5,13512.6 h10 r180; PIN_NUMBER "7" at 11496.5,13535.2 h10 r180; PIN_NUMBER "6" at 11496.5,13554.8 h10 r180; PIN_NUMBER "1" at 11542.5,13512.6 h10 r180; PIN_NUMBER "5" at 11496.5,13577.4 h10 r180; PIN_NUMBER "2" at 11542.5,13535.2 h10 r180; PIN_NUMBER "4" at 11542.5,13577.4 h10 r180; ASSEMBLY_TOP "PART#" at 11645,13500.6 h40 r90; ASSEMBLY_TOP "TOL" at 11645,13500.6 h40 r90; ASSEMBLY_TOP "RPACK4-22" at 11645,13505.6 h40 r90
RN3: PIN_NUMBER "4" at 12009.6,12635.5 h10 r270; PIN_NUMBER "8" at 12074.4,12589.5 h10 r270; PIN_NUMBER "7" at 12051.8,12589.5 h10 r270; PIN_NUMBER "6" at 12032.2,12589.5 h10 r270; PIN_NUMBER "3" at 12032.2,12635.5 h10 r270; PIN_NUMBER "1" at 12074.4,12635.5 h10 r270; PIN_NUMBER "5" at 12009.6,12589.5 h10 r270; PIN_NUMBER "2" at 12051.8,12635.5 h10 r270; ASSEMBLY_TOP "PART#" at 12094.4,12730 h40 r180; ASSEMBLY_TOP "TOL" at 12094.4,12730 h40 r180; ASSEMBLY_TOP "RPACK4-22" at 12089.4,12730 h40 r180
RN4: PIN_NUMBER "4" at 11884.6,12635.5 h10 r270; PIN_NUMBER "3" at 11907.2,12635.5 h10 r270; PIN_NUMBER "2" at 11926.8,12635.5 h10 r270; PIN_NUMBER "5" at 11884.6,12589.5 h10 r270; PIN_NUMBER "1" at 11949.4,12635.5 h10 r270; PIN_NUMBER "6" at 11907.2,12589.5 h10 r270; PIN_NUMBER "8" at 11949.4,12589.5 h10 r270; PIN_NUMBER "7" at 11926.8,12589.5 h10 r270; ASSEMBLY_TOP "PART#" at 11969.4,12730 h40 r180; ASSEMBLY_TOP "TOL" at 11969.4,12730 h40 r180; ASSEMBLY_TOP "RPACK4-22" at 11964.4,12730 h40 r180
RN5: PIN_NUMBER "1" at 11824.4,12635.5 h10 r270; PIN_NUMBER "8" at 11824.4,12589.5 h10 r270; PIN_NUMBER "2" at 11801.8,12635.5 h10 r270; PIN_NUMBER "3" at 11782.2,12635.5 h10 r270; PIN_NUMBER "4" at 11759.6,12635.5 h10 r270; PIN_NUMBER "7" at 11801.8,12589.5 h10 r270; PIN_NUMBER "5" at 11759.6,12589.5 h10 r270; PIN_NUMBER "6" at 11782.2,12589.5 h10 r270; ASSEMBLY_TOP "PART#" at 11844.4,12730 h40 r180; ASSEMBLY_TOP "TOL" at 11844.4,12730 h40 r180; ASSEMBLY_TOP "RPACK4-22" at 11839.4,12730 h40 r180
RN6: PIN_NUMBER "1" at 11699.4,12635.5 h10 r270; PIN_NUMBER "8" at 11699.4,12589.5 h10 r270; PIN_NUMBER "5" at 11634.6,12589.5 h10 r270; PIN_NUMBER "7" at 11676.8,12589.5 h10 r270; PIN_NUMBER "3" at 11657.2,12635.5 h10 r270; PIN_NUMBER "4" at 11634.6,12635.5 h10 r270; PIN_NUMBER "6" at 11657.2,12589.5 h10 r270; PIN_NUMBER "2" at 11676.8,12635.5 h10 r270; ASSEMBLY_TOP "PART#" at 11719.4,12730 h40 r180; ASSEMBLY_TOP "TOL" at 11719.4,12730 h40 r180; ASSEMBLY_TOP "RPACK4-22" at 11714.4,12730 h40 r180
RN7: PIN_NUMBER "3" at 12157.2,12400.5 h10 r270; PIN_NUMBER "2" at 12176.8,12400.5 h10 r270; PIN_NUMBER "1" at 12199.4,12400.5 h10 r270; PIN_NUMBER "6" at 12157.2,12354.5 h10 r270; PIN_NUMBER "5" at 12134.6,12354.5 h10 r270; PIN_NUMBER "7" at 12176.8,12354.5 h10 r270; PIN_NUMBER "8" at 12199.4,12354.5 h10 r270; PIN_NUMBER "4" at 12134.6,12400.5 h10 r270; ASSEMBLY_TOP "PART#" at 12219.4,12495 h40 r180; ASSEMBLY_TOP "TOL" at 12219.4,12495 h40 r180; ASSEMBLY_TOP "RPACK4-22" at 12214.4,12495 h40 r180
RN8: PIN_NUMBER "7" at 12051.8,12354.5 h10 r270; PIN_NUMBER "8" at 12074.4,12354.5 h10 r270; PIN_NUMBER "5" at 12009.6,12354.5 h10 r270; PIN_NUMBER "4" at 12009.6,12400.5 h10 r270; PIN_NUMBER "1" at 12074.4,12400.5 h10 r270; PIN_NUMBER "6" at 12032.2,12354.5 h10 r270; PIN_NUMBER "3" at 12032.2,12400.5 h10 r270; PIN_NUMBER "2" at 12051.8,12400.5 h10 r270; ASSEMBLY_TOP "PART#" at 12094.4,12495 h40 r180; ASSEMBLY_TOP "TOL" at 12094.4,12495 h40 r180; ASSEMBLY_TOP "RPACK4-22" at 12089.4,12495 h40 r180
RN9: PIN_NUMBER "16" at 12480.6,12378 h10 r270; PIN_NUMBER "15" at 12458,12378 h10 r270; PIN_NUMBER "14" at 12438.4,12378 h10 r270; PIN_NUMBER "13" at 12418.8,12378 h10 r270; PIN_NUMBER "12" at 12399.2,12378 h10 r270; PIN_NUMBER "11" at 12379.6,12378 h10 r270; PIN_NUMBER "10" at 12360,12378 h10 r270; PIN_NUMBER "5" at 12407.2,12447 h10 r270; PIN_NUMBER "6" at 12387.6,12447 h10 r270; PIN_NUMBER "1" at 12488.6,12447 h10 r270; PIN_NUMBER "3" at 12446.4,12447 h10 r270; PIN_NUMBER "4" at 12426.8,12447 h10 r270; PIN_NUMBER "2" at 12466,12447 h10 r270; PIN_NUMBER "7" at 12368,12447 h10 r270; PIN_NUMBER "8" at 12345.4,12447 h10 r270; PIN_NUMBER "9" at 12345.4,12383 h10 r270; ASSEMBLY_TOP "PART#" at 12508.6,12530 h40 r180; ASSEMBLY_TOP "TOL" at 12508.6,12530 h40 r180; ASSEMBLY_TOP "RPACK8-22" at 12503.6,12530 h40 r180
RN10: PIN_NUMBER "4" at 13007.2,12383 h10 r90; PIN_NUMBER "2" at 12968,12383 h10 r90; PIN_NUMBER "8" at 13088.6,12383 h10 r90; PIN_NUMBER "1" at 12945.4,12383 h10 r90; PIN_NUMBER "16" at 12937.4,12452 h10 r90; PIN_NUMBER "15" at 12960,12452 h10 r90; PIN_NUMBER "14" at 12979.6,12452 h10 r90; PIN_NUMBER "13" at 12999.2,12452 h10 r90; PIN_NUMBER "12" at 13018.8,12452 h10 r90; PIN_NUMBER "11" at 13038.4,12452 h10 r90; PIN_NUMBER "10" at 13058,12452 h10 r90; PIN_NUMBER "9" at 13088.6,12447 h10 r90; PIN_NUMBER "7" at 13066,12383 h10 r90; PIN_NUMBER "3" at 12987.6,12383 h10 r90; PIN_NUMBER "6" at 13046.4,12383 h10 r90; PIN_NUMBER "5" at 13026.8,12383 h10 r90; ASSEMBLY_TOP "PART#" at 12941.4,12300 h40; ASSEMBLY_TOP "TOL" at 12941.4,12300 h40; ASSEMBLY_TOP "RPACK8-22" at 12946.4,12300 h40
RN11: PIN_NUMBER "1" at 12688.6,12447 h10 r270; PIN_NUMBER "16" at 12680.6,12378 h10 r270; PIN_NUMBER "10" at 12560,12378 h10 r270; PIN_NUMBER "15" at 12658,12378 h10 r270; PIN_NUMBER "14" at 12638.4,12378 h10 r270; PIN_NUMBER "13" at 12618.8,12378 h10 r270; PIN_NUMBER "12" at 12599.2,12378 h10 r270; PIN_NUMBER "11" at 12579.6,12378 h10 r270; PIN_NUMBER "7" at 12568,12447 h10 r270; PIN_NUMBER "3" at 12646.4,12447 h10 r270; PIN_NUMBER "4" at 12626.8,12447 h10 r270; PIN_NUMBER "2" at 12666,12447 h10 r270; PIN_NUMBER "9" at 12545.4,12383 h10 r270; PIN_NUMBER "5" at 12607.2,12447 h10 r270; PIN_NUMBER "6" at 12587.6,12447 h10 r270; PIN_NUMBER "8" at 12545.4,12447 h10 r270; ASSEMBLY_TOP "PART#" at 12708.6,12530 h40 r180; ASSEMBLY_TOP "TOL" at 12708.6,12530 h40 r180; ASSEMBLY_TOP "RPACK8-22" at 12703.6,12530 h40 r180
RN12: PIN_NUMBER "4" at 12807.2,12383 h10 r90; PIN_NUMBER "1" at 12745.4,12383 h10 r90; PIN_NUMBER "16" at 12737.4,12452 h10 r90; PIN_NUMBER "15" at 12760,12452 h10 r90; PIN_NUMBER "14" at 12779.6,12452 h10 r90; PIN_NUMBER "2" at 12768,12383 h10 r90; PIN_NUMBER "7" at 12866,12383 h10 r90; PIN_NUMBER "8" at 12888.6,12383 h10 r90; PIN_NUMBER "13" at 12799.2,12452 h10 r90; PIN_NUMBER "12" at 12818.8,12452 h10 r90; PIN_NUMBER "11" at 12838.4,12452 h10 r90; PIN_NUMBER "10" at 12858,12452 h10 r90; PIN_NUMBER "9" at 12888.6,12447 h10 r90; PIN_NUMBER "3" at 12787.6,12383 h10 r90; PIN_NUMBER "6" at 12846.4,12383 h10 r90; PIN_NUMBER "5" at 12826.8,12383 h10 r90; ASSEMBLY_TOP "PART#" at 12741.4,12300 h40; ASSEMBLY_TOP "TOL" at 12741.4,12300 h40; ASSEMBLY_TOP "RPACK8-22" at 12746.4,12300 h40
RN13: PIN_NUMBER "1" at 13589.1,13196.6 h10; PIN_NUMBER "2" at 13589.1,13174 h10; PIN_NUMBER "3" at 13589.1,13154.4 h10; PIN_NUMBER "4" at 13589.1,13134.8 h10; PIN_NUMBER "5" at 13589.1,13115.2 h10; PIN_NUMBER "6" at 13589.1,13095.6 h10; PIN_NUMBER "16" at 13512.1,13196.6 h10; PIN_NUMBER "7" at 13589.1,13076 h10; PIN_NUMBER "15" at 13512.1,13174 h10; PIN_NUMBER "14" at 13512.1,13154.4 h10; PIN_NUMBER "13" at 13512.1,13134.8 h10; PIN_NUMBER "12" at 13512.1,13115.2 h10; PIN_NUMBER "11" at 13512.1,13095.6 h10; PIN_NUMBER "10" at 13512.1,13076 h10; PIN_NUMBER "9" at 13525.1,13053.4 h10; PIN_NUMBER "8" at 13589.1,13053.4 h10; ASSEMBLY_BOTTOM "PART#" at 13680.1,13208.6 h40 r90; ASSEMBLY_BOTTOM "TOL" at 13680.1,13208.6 h40 r90; ASSEMBLY_BOTTOM "RPACK8-10" at 13680.1,13203.6 h40 r90
RN14: PIN_NUMBER "8" at 13589.1,13253.4 h10; PIN_NUMBER "7" at 13589.1,13276 h10; PIN_NUMBER "3" at 13589.1,13354.4 h10; PIN_NUMBER "4" at 13589.1,13334.8 h10; PIN_NUMBER "6" at 13589.1,13295.6 h10; PIN_NUMBER "16" at 13512.1,13396.6 h10; PIN_NUMBER "5" at 13589.1,13315.2 h10; PIN_NUMBER "10" at 13512.1,13276 h10; PIN_NUMBER "12" at 13512.1,13315.2 h10; PIN_NUMBER "9" at 13525.1,13253.4 h10; PIN_NUMBER "1" at 13589.1,13396.6 h10; PIN_NUMBER "11" at 13512.1,13295.6 h10; PIN_NUMBER "15" at 13512.1,13374 h10; PIN_NUMBER "14" at 13512.1,13354.4 h10; PIN_NUMBER "13" at 13512.1,13334.8 h10; PIN_NUMBER "2" at 13589.1,13374 h10; ASSEMBLY_BOTTOM "PART#" at 13680.1,13408.6 h40 r90; ASSEMBLY_BOTTOM "TOL" at 13680.1,13408.6 h40 r90; ASSEMBLY_BOTTOM "RPACK8-22" at 13680.1,13403.6 h40 r90
RN15: PIN_NUMBER "6" at 13589.1,13695.6 h10; PIN_NUMBER "7" at 13589.1,13676 h10; PIN_NUMBER "8" at 13589.1,13653.4 h10; PIN_NUMBER "16" at 13512.1,13796.6 h10; PIN_NUMBER "15" at 13512.1,13774 h10; PIN_NUMBER "14" at 13512.1,13754.4 h10; PIN_NUMBER "13" at 13512.1,13734.8 h10; PIN_NUMBER "1" at 13589.1,13796.6 h10; PIN_NUMBER "12" at 13512.1,13715.2 h10; PIN_NUMBER "2" at 13589.1,13774 h10; PIN_NUMBER "3" at 13589.1,13754.4 h10; PIN_NUMBER "11" at 13512.1,13695.6 h10; PIN_NUMBER "4" at 13589.1,13734.8 h10; PIN_NUMBER "10" at 13512.1,13676 h10; PIN_NUMBER "5" at 13589.1,13715.2 h10; PIN_NUMBER "9" at 13525.1,13653.4 h10; ASSEMBLY_BOTTOM "PART#" at 13680.1,13808.6 h40 r90; ASSEMBLY_BOTTOM "TOL" at 13680.1,13808.6 h40 r90; ASSEMBLY_BOTTOM "RPACK8-10" at 13680.1,13803.6 h40 r90
RN16: PIN_NUMBER "8" at 13589.1,13453.4 h10; PIN_NUMBER "9" at 13525.1,13453.4 h10; PIN_NUMBER "5" at 13589.1,13515.2 h10; PIN_NUMBER "14" at 13512.1,13554.4 h10; PIN_NUMBER "11" at 13512.1,13495.6 h10; PIN_NUMBER "12" at 13512.1,13515.2 h10; PIN_NUMBER "13" at 13512.1,13534.8 h10; PIN_NUMBER "10" at 13512.1,13476 h10; PIN_NUMBER "16" at 13512.1,13596.6 h10; PIN_NUMBER "15" at 13512.1,13574 h10; PIN_NUMBER "4" at 13589.1,13534.8 h10; PIN_NUMBER "1" at 13589.1,13596.6 h10; PIN_NUMBER "6" at 13589.1,13495.6 h10; PIN_NUMBER "7" at 13589.1,13476 h10; PIN_NUMBER "2" at 13589.1,13574 h10; PIN_NUMBER "3" at 13589.1,13554.4 h10; ASSEMBLY_BOTTOM "PART#" at 13680.1,13608.6 h40 r90; ASSEMBLY_BOTTOM "TOL" at 13680.1,13608.6 h40 r90; ASSEMBLY_BOTTOM "RPACK8-22" at 13680.1,13603.6 h40 r90
RN17: PIN_NUMBER "7" at 13589.1,12676 h10; PIN_NUMBER "1" at 13589.1,12796.6 h10; PIN_NUMBER "2" at 13589.1,12774 h10; PIN_NUMBER "3" at 13589.1,12754.4 h10; PIN_NUMBER "4" at 13589.1,12734.8 h10; PIN_NUMBER "15" at 13512.1,12774 h10; PIN_NUMBER "16" at 13512.1,12796.6 h10; PIN_NUMBER "8" at 13589.1,12653.4 h10; PIN_NUMBER "9" at 13525.1,12653.4 h10; PIN_NUMBER "10" at 13512.1,12676 h10; PIN_NUMBER "11" at 13512.1,12695.6 h10; PIN_NUMBER "12" at 13512.1,12715.2 h10; PIN_NUMBER "13" at 13512.1,12734.8 h10; PIN_NUMBER "14" at 13512.1,12754.4 h10; PIN_NUMBER "5" at 13589.1,12715.2 h10; PIN_NUMBER "6" at 13589.1,12695.6 h10; ASSEMBLY_BOTTOM "PART#" at 13680.1,12808.6 h40 r90; ASSEMBLY_BOTTOM "TOL" at 13680.1,12808.6 h40 r90; ASSEMBLY_BOTTOM "RPACK8-10" at 13680.1,12803.6 h40 r90
RN18: PIN_NUMBER "9" at 13525.1,12853.4 h10; PIN_NUMBER "6" at 13589.1,12895.6 h10; PIN_NUMBER "7" at 13589.1,12876 h10; PIN_NUMBER "8" at 13589.1,12853.4 h10; PIN_NUMBER "10" at 13512.1,12876 h10; PIN_NUMBER "11" at 13512.1,12895.6 h10; PIN_NUMBER "12" at 13512.1,12915.2 h10; PIN_NUMBER "13" at 13512.1,12934.8 h10; PIN_NUMBER "1" at 13589.1,12996.6 h10; PIN_NUMBER "14" at 13512.1,12954.4 h10; PIN_NUMBER "15" at 13512.1,12974 h10; PIN_NUMBER "16" at 13512.1,12996.6 h10; PIN_NUMBER "2" at 13589.1,12974 h10; PIN_NUMBER "3" at 13589.1,12954.4 h10; PIN_NUMBER "4" at 13589.1,12934.8 h10; PIN_NUMBER "5" at 13589.1,12915.2 h10; ASSEMBLY_BOTTOM "PART#" at 13680.1,13008.6 h40 r90; ASSEMBLY_BOTTOM "TOL" at 13680.1,13008.6 h40 r90; ASSEMBLY_BOTTOM "RPACK8-10" at 13680.1,13003.6 h40 r90
RN19: PIN_NUMBER "7" at 14043,13818 h10 r270; PIN_NUMBER "2" at 14141,13818 h10 r270; PIN_NUMBER "1" at 14163.6,13818 h10 r270; PIN_NUMBER "8" at 14020.4,13818 h10 r270; PIN_NUMBER "6" at 14062.6,13818 h10 r270; PIN_NUMBER "5" at 14082.2,13818 h10 r270; PIN_NUMBER "4" at 14101.8,13818 h10 r270; PIN_NUMBER "3" at 14121.4,13818 h10 r270; PIN_NUMBER "14" at 14113.4,13887 h10 r270; PIN_NUMBER "15" at 14133,13887 h10 r270; PIN_NUMBER "16" at 14155.6,13887 h10 r270; PIN_NUMBER "9" at 14020.4,13882 h10 r270; PIN_NUMBER "10" at 14035,13887 h10 r270; PIN_NUMBER "11" at 14054.6,13887 h10 r270; PIN_NUMBER "12" at 14074.2,13887 h10 r270; PIN_NUMBER "13" at 14093.8,13887 h10 r270; ASSEMBLY_BOTTOM "PART#" at 14183.6,13735 h40; ASSEMBLY_BOTTOM "TOL" at 14183.6,13735 h40; ASSEMBLY_BOTTOM "RPACK8-10" at 14178.6,13735 h40
RN20: PIN_NUMBER "8" at 14020.4,13043 h10 r270; PIN_NUMBER "6" at 14062.6,13043 h10 r270; PIN_NUMBER "5" at 14082.2,13043 h10 r270; PIN_NUMBER "4" at 14101.8,13043 h10 r270; PIN_NUMBER "3" at 14121.4,13043 h10 r270; PIN_NUMBER "2" at 14141,13043 h10 r270; PIN_NUMBER "1" at 14163.6,13043 h10 r270; PIN_NUMBER "7" at 14043,13043 h10 r270; PIN_NUMBER "14" at 14113.4,13112 h10 r270; PIN_NUMBER "15" at 14133,13112 h10 r270; PIN_NUMBER "16" at 14155.6,13112 h10 r270; PIN_NUMBER "9" at 14020.4,13107 h10 r270; PIN_NUMBER "10" at 14035,13112 h10 r270; PIN_NUMBER "11" at 14054.6,13112 h10 r270; PIN_NUMBER "12" at 14074.2,13112 h10 r270; PIN_NUMBER "13" at 14093.8,13112 h10 r270; ASSEMBLY_BOTTOM "PART#" at 14183.6,12960 h40; ASSEMBLY_BOTTOM "TOL" at 14183.6,12960 h40; ASSEMBLY_BOTTOM "RPACK8-10" at 14178.6,12960 h40
RN21: PIN_NUMBER "8" at 14163.6,13407 h10 r90; PIN_NUMBER "7" at 14141,13407 h10 r90; PIN_NUMBER "6" at 14121.4,13407 h10 r90; PIN_NUMBER "5" at 14101.8,13407 h10 r90; PIN_NUMBER "4" at 14082.2,13407 h10 r90; PIN_NUMBER "3" at 14062.6,13407 h10 r90; PIN_NUMBER "1" at 14020.4,13407 h10 r90; PIN_NUMBER "2" at 14043,13407 h10 r90; PIN_NUMBER "9" at 14163.6,13343 h10 r90; PIN_NUMBER "10" at 14133,13338 h10 r90; PIN_NUMBER "11" at 14113.4,13338 h10 r90; PIN_NUMBER "12" at 14093.8,13338 h10 r90; PIN_NUMBER "13" at 14074.2,13338 h10 r90; PIN_NUMBER "14" at 14054.6,13338 h10 r90; PIN_NUMBER "15" at 14035,13338 h10 r90; PIN_NUMBER "16" at 14012.4,13338 h10 r90; ASSEMBLY_BOTTOM "PART#" at 14016.4,13490 h40 r180; ASSEMBLY_BOTTOM "TOL" at 14016.4,13490 h40 r180; ASSEMBLY_BOTTOM "RPACK8-10" at 14021.4,13490 h40 r180